# KiCad board Scopefun_v2.kicad_pcb (continued)
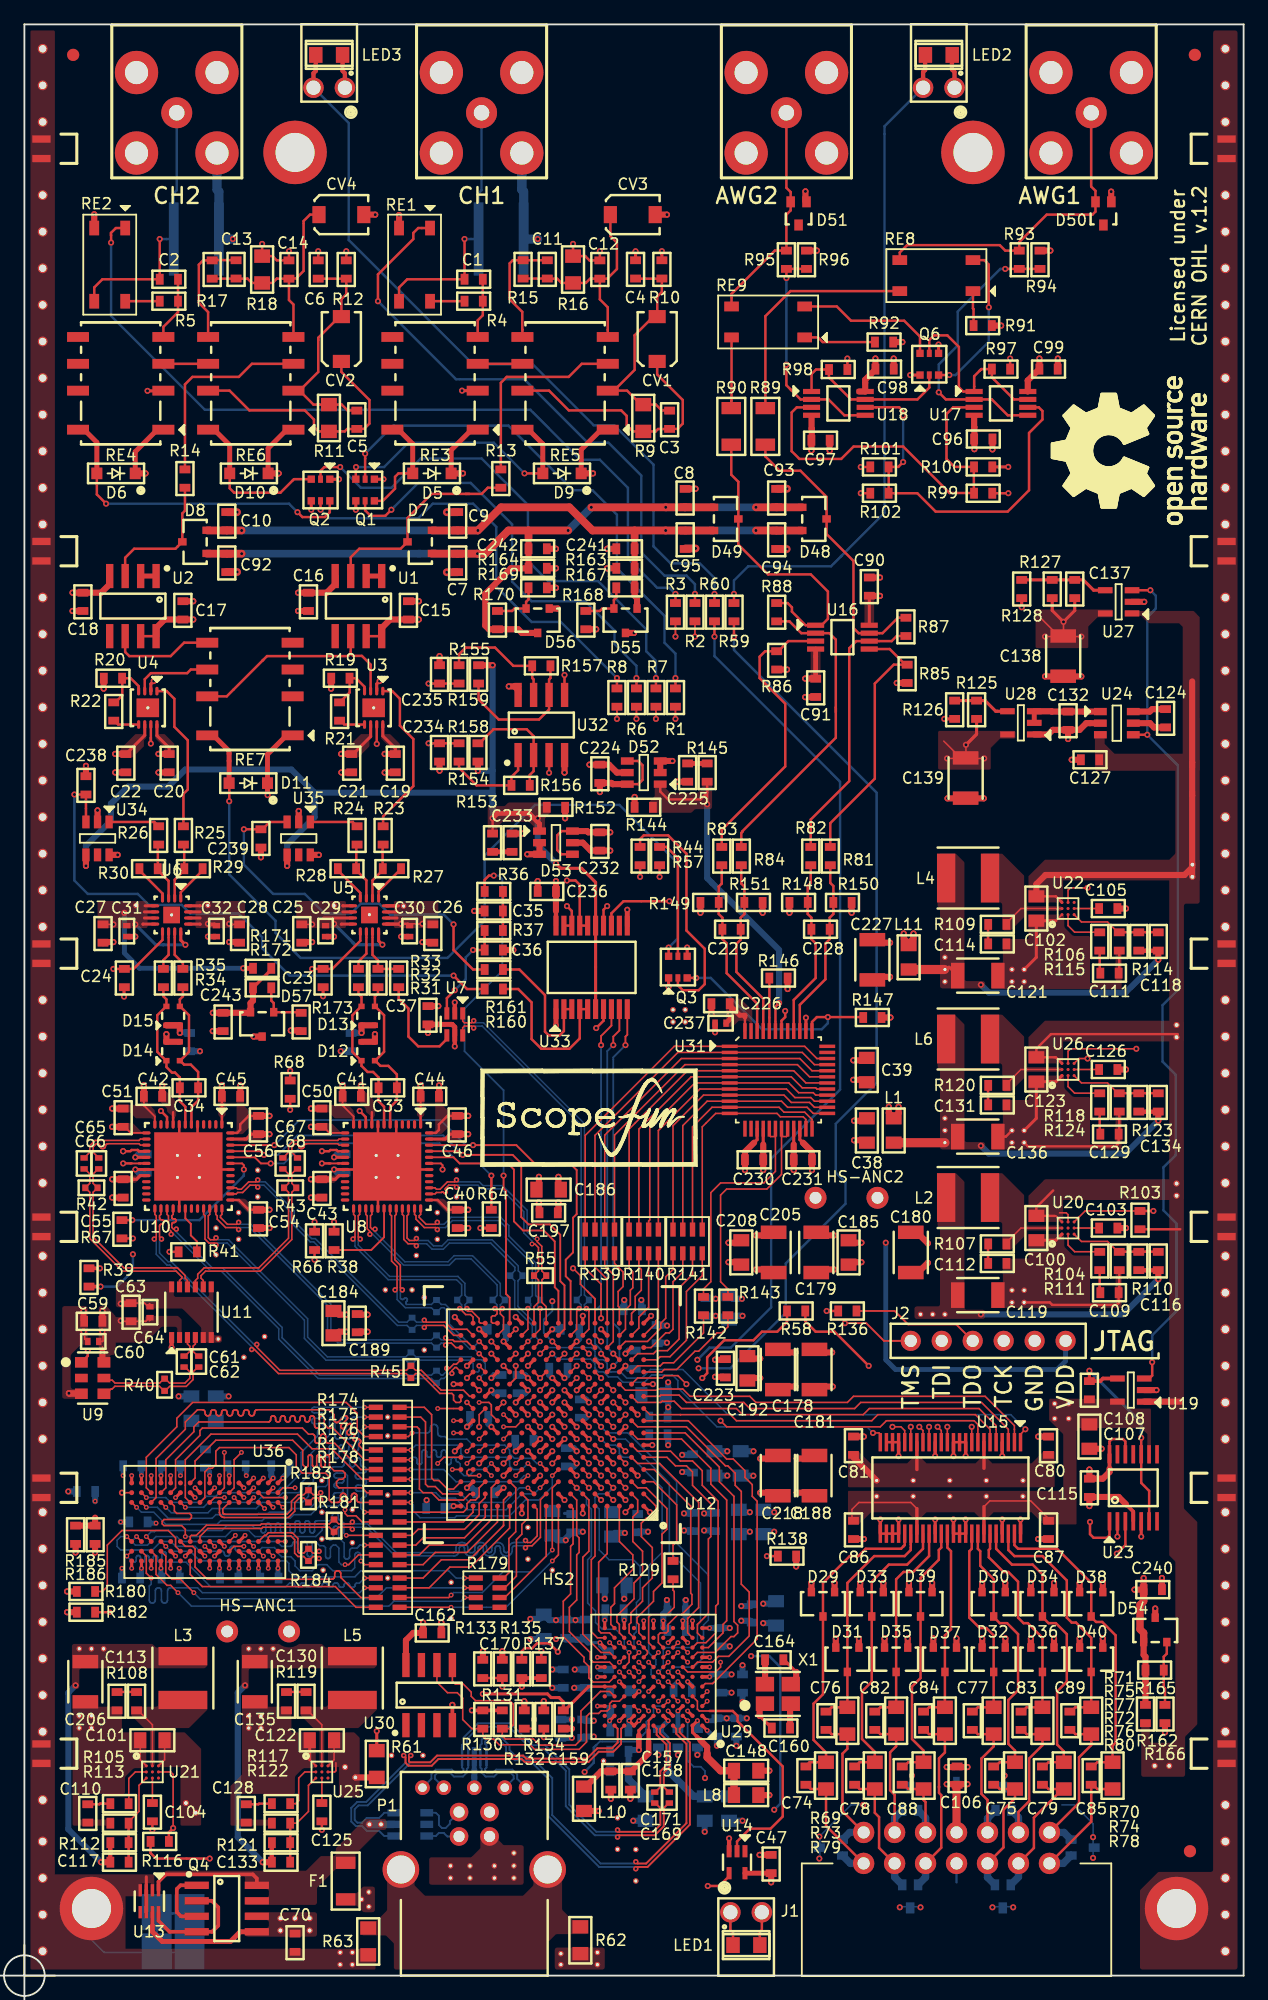
[diagram p0: board, top side]
## Routing (per net, layer and track width the routed paths; a pad name or vN(x,y) marks a point on that pad's centre or on a via; arc(x,y) is an arc through that point) (continued)
D-: length 31.3
  Top w0.155: U29.A10 48.66,20.24 48.66,19.11 48.19,18.64 46.99,18.64 46.14,17.79 41.16,17.79 40.91,18.04 33.84,18.04 33.29,17.49 31.62,17.49 31.54,17.57 31.54,17.9 v3(31.69,18.05)
  Bottom w0.155: D16.6 29.51,13.35 29.09,12.93 28.08,12.93 27.69,12.54 27.31,12.54 27.09,12.76 27.09,13.64 27.41,13.96 28.16,13.96 31.54,17.34 31.54,17.9 v3(31.69,18.05)
DAC_CLK_1: length 8.7
  Top w0.127: R142.2 55.7,52.7 53.25,50.25 52.4,50.25 52.15,50 50.3,50 U12.M2
DAC_CLK_2: length 9.4
  Top w0.127: R143.2 57.7,53.2 57.2,52.7 56.8,52.7 55.3,51.2 55,51.2 53.5,49.7 52.47,49.7 52.28,49.5 U12.M1
DAC_D0: length 11.8
  Top w0.127: U12.N1 51.9,50.5 52.15,50.75 52.95,50.75 54.3,52.1 54.3,56.1 55.6,57.4 55.6,59.22
DAC_D1: length 12.1
  Top w0.127: 54.8,59.22 54.8,57.5 53.7,56.4 53.7,52.2 52.75,51.25 51.85,51.25 51.6,51 50.3,51 U12.N2
DAC_D2: length 9.6
  Top w0.127: U12.P1 51.4,51.5 52.6,52.7 52.9,52.7 53.2,53 53.2,56.9 54,57.7 54,59.22
DAC_D3: length 10.6
  Top w0.127: U12.P3 49.3,52 51.1,52 52.2,53.1 52.2,53.5 52.6,53.9 52.6,57.3 53.2,57.9 53.2,59.22
DAC_D4: length 7.2
  Top w0.127: 52,59.22 52,53.9 51.8,53.7 51.8,53.5 U12.R1
DAC_D5: length 7.3
  Top w0.127: 51.2,59.22 51.2,54.8 50.4,54 50.4,53.1 U12.R2
DAC_D6: length 6.1
  Top w0.127: 50.4,59.22 50.4,58.1 50.6,57.9 50.6,56.2 50.1,55.7 50.1,54.6 49.8,54.3 U12.T2
DAC_D7: length 7.3
  Top w0.127: U12.R3 49.3,53 49.3,54.6 49.7,55 49.7,56.2 49.9,56.4 49.9,57.7 49.6,58 49.6,59.22
DAC_D8: length 6.2
  Top w0.127: U12.T3 48.8,54.8 48.7,54.9 48.7,56.1 49.1,56.5 49.1,57.7 48.4,58.4 48.4,59.22
DAC_D9: length 8.2
  Top w0.127: U12.P4 48.3,52 48.3,57.5 47.6,58.2 47.6,59.22
DAC_D10: length 6.1
  Top w0.127: U12.T4 47.8,57.1 46.8,58.1 46.8,59.22
DAC_D11: length 8.9
  Top w0.127: U12.P5 v1(46.3,52) ; v1(47.3,53.9) 47.3,56.7 46,58 46,59.22
  In2.Cu w0.127: v1(47.3,53.9) 46.3,52.9 v1(46.3,52)
DAC_EN: length 42.6
  Top w0.127: v1(45,58) 45.6,57.4 45.6,56.7 46.2,56.1
  Top w0.15: 46.2,56.1 46.8,55.5 U12.T5
  Top w0.2: v1(52.1,90.1) R57.2
  In2.Cu w0.15: v1(45,58) 45,58.6 46.3,59.9 48.7,59.9 52.1,63.3 v1(52.1,90.1)
DAC_SLEEP: length 19.6
  Top w0.127: U31.37 64.6,78
  Top w0.2: U31.37 64.6,78.2 65,78.6 v1(65.9,78.6) 68.77,78.6 ; Q3.3 55.1,81.81 v1(55.1,81.81)
  Bottom w0.2: v1(65.9,78.6) 65.9,78.1 65.4,77.6 60.5,77.6 56.29,81.81 v1(55.1,81.81)
DASCLK: length 30.8
  Top w0.15: U12.M4 v1(48.3,50) ; U33.10 49.45,77.15 49.3,77 v1(49.3,76.3)
  Bottom w0.15: v1(49.3,76.3) 48.3,75.3 48.3,53.5 48.8,53 48.8,50.5 v1(48.3,50)
DASDIN: length 29.6
  Top w0.15: v1(48.3,76.3) 48.3,77 48.8,77.5 U33.9 ; U12.N3 v1(48.3,51)
  Bottom w0.15: v1(48.3,51) 47.8,51.5 47.8,75.8 v1(48.3,76.3)
DASYNC: length 29.7
  Top w0.15: U12.N4 v1(47.3,51) ; v1(47.3,76.3) 47.3,77.05 48.15,77.9 U33.8
  Bottom w0.15: v1(47.3,51) 47.3,51.32 46.8,51.82 46.8,54.5 47.3,55 v1(47.3,76.3)
dataA0_N: length 17.5
  Top w0.127: U12.T15 36.8,54 36.6,54.2 36.2,54.2 v3(35.7,54.7) ; U8.25 27,62.42 27.12,62.3 27.12,60.56 v3(26.95,60.4)
  Bottom w0.127: v3(26.95,60.4) 27.12,60.24 27.12,59.79 29.84,57.07 35.44,57.07 35.87,56.64 35.87,55.79 35.5,55.43 R50.1 35.5,55.38 35.87,55.01 35.87,54.86 v3(35.7,54.7)
dataA0_P: length 17.9
  Top w0.127: U8.26 27.5,62.42 27.38,62.3 27.38,60.56 v3(27.55,60.4) ; v3(36.3,54.7) 36.3,54.55 36.38,54.47 36.71,54.47 37.3,53.88 37.3,53.6 37.4,53.5 U12.T14
  Bottom w0.127: v3(36.3,54.7) 36.13,54.86 36.13,55.01 36.5,55.38 R50.2 36.5,55.43 36.13,55.79 36.13,56.76 35.56,57.33 29.96,57.33 27.38,59.91 27.38,60.24 v3(27.55,60.4)
dataA1_N: length 19.1
  Top w0.127: U8.27 28,62.42 28.12,62.3 28.12,61.24 28.34,61.02 v3(28.34,60.79) ; U12.T13 38.4,53.5 38.3,53.6 38.3,54 38.4,54.1 38.6,54.1 38.77,54.27 38.77,54.54 v3(38.6,54.7)
  Bottom w0.127: v3(28.34,60.79) 28.57,60.79 31.09,58.27 34.86,58.27 35.36,58.77 36.64,58.77 38.77,56.64 38.77,55.77 R53.1 38.4,55.38 38.77,55.01 38.77,54.86 v3(38.6,54.7)
dataA1_P: length 19.7
  Top w0.127: U8.28 28.5,62.42 28.38,62.3 28.38,61.36 28.53,61.21 v3(28.76,61.21) ; U12.R13 39.3,53 39.3,54 39.03,54.27 39.03,54.54 v3(39.2,54.7)
  Bottom w0.127: v3(39.2,54.7) 39.03,54.86 39.03,55.01 39.4,55.38 R53.2 39.03,55.77 39.03,56.76 36.76,59.03 35.24,59.03 34.74,58.53 31.21,58.53 28.76,60.98 v3(28.76,61.21)
dataA2_N: length 21.1
  Top w0.127: U12.P11 v3(41.3,52) ; U8.33 31,62.42 31.12,62.3 31.12,60.37 31.47,60.01 31.99,60.01 v3(32.15,59.85)
  Bottom w0.127: R52.1 39.85,57.35 40.22,56.98 40.22,54.75 41.67,53.3 41.67,52.37 v3(41.3,52) ; R52.1 39.85,57.45 ; R52.1 39.85,57.43 40.24,57.81 40.24,58.08 38.25,60.07 34.86,60.07 34.36,59.57 33.44,59.57 33,60.01 32.31,60.01 v3(32.15,59.85)
dataA2_P: length 21
  Top w0.127: U12.P10 v3(42.3,52) ; U8.34 31.5,62.42 31.38,62.3 31.38,60.48 31.59,60.28 31.99,60.28 v3(32.15,60.44)
  Bottom w0.127: v3(32.15,60.44) 32.31,60.28 33.11,60.28 33.56,59.83 34.24,59.83 34.74,60.33 38.36,60.33 40.51,58.19 40.51,57.79 40.85,57.45 R52.2 40.85,57.35 40.48,56.98 40.48,54.86 41.93,53.41 41.93,52.37 v3(42.3,52)
dataA3_N: length 19.5
  Top w0.127: v3(41.3,54.7) 41.3,53 U12.R11 ; U8.35 32,62.42 32.12,62.3 32.12,62.03 32.8,61.34 33.71,61.34 v3(33.87,61.18)
  Bottom w0.127: v3(33.87,61.18) 34.03,61.34 34.53,61.34 35.11,61.92 38.94,61.92 39.47,61.39 39.47,60.54 41.67,58.34 41.67,55.77 R54.1 41.3,55.3 41.52,55.08 41.52,54.92 v3(41.3,54.7)
dataA3_P: length 19.5
  Top w0.127: v3(33.87,61.77) 33.71,61.61 32.95,61.61 32.38,62.17 32.38,62.3 32.5,62.42 U8.36 ; v3(42.3,54.7) 42.3,53 U12.R10
  Bottom w0.127: v3(42.3,54.7) 42.08,54.92 42.08,55.08 42.3,55.3 R54.2 41.93,55.77 41.93,58.46 39.73,60.66 39.73,61.51 39.06,62.18 34.99,62.18 34.42,61.61 34.03,61.61 v3(33.87,61.77)
dataA4_N: length 19.8
  Top w0.127: v3(35.44,64.65) 35.28,64.82 34.81,64.82 34.56,64.57 34.55,64.55 34.53,64.53 34.53,64.5 34.53,64.47 34.53,64.44 34.55,64.42 34.56,64.4 34.62,64.34 34.64,64.32 34.65,64.29 34.66,64.26 34.66,64.24 34.65,64.21 34.64,64.18 34.62,64.16 34.6,64.14 34.57,64.13 34.54,64.12 34.52,64.12 34.49,64.13 34.46,64.14 34.44,64.16 34.39,64.22 34.36,64.23 34.34,64.25 34.31,64.25 34.28,64.25 34.25,64.25 34.23,64.23 34.21,64.22 33.8,64.22 33.68,64.1 U8.38 ; v2(41.64,59.99) 41.87,59.99 42.17,59.69 42.17,57.79 41.8,57.43 R55.1 42.17,57.03 42.17,55.22 41.8,54.85 U12.T10
  Bottom w0.127: v3(35.44,64.65) 35.6,64.82 37.19,64.82 37.49,64.52 39.09,64.52 40.97,62.64 40.97,60.89 41.64,60.22 v2(41.64,59.99)
dataA4_P: length 19.8
  Top w0.127: U12.T9 42.8,54.85 42.43,55.22 42.43,57.03 R55.2 42.8,57.43 42.43,57.79 42.43,59.81 42.06,60.18 v2(42.06,60.41) ; v3(35.44,65.25) 35.28,65.08 34.69,65.08 34.09,64.48 33.8,64.48 33.68,64.6 U8.39
  Bottom w0.127: v3(35.44,65.25) 35.6,65.08 37.31,65.08 37.61,64.78 39.21,64.78 41.23,62.76 41.23,61.01 41.83,60.41 v2(42.06,60.41)
dataB0_N: length 35.1
  Top w0.127: U10.25 10.7,62.42 10.82,62.3 10.82,60.56 v3(10.65,60.4) ; v3(18.64,51.34) 18.87,51.34 20.84,49.37 31.32,49.37 31.69,49 R45.1 31.73,49 32.09,49.37 32.44,49.37 34.07,47.74 35.06,47.74 35.2,47.6 35.2,47.2 35.4,47 35.7,47 35.8,47.1 U12.K16
  Bottom w0.127: v3(18.64,51.34) 18.64,51.57 11.94,58.27 11.69,58.27 10.82,59.14 10.82,60.24 v3(10.65,60.4)
dataB0_P: length 35.2
  Top w0.127: v3(11.25,60.4) 11.08,60.56 11.08,61.45 11.09,61.48 11.1,61.52 11.12,61.56 11.15,61.58 11.18,61.6 11.22,61.62 11.3,61.63 11.34,61.64 11.37,61.66 11.4,61.69 11.42,61.72 11.43,61.76 11.43,61.8 11.43,61.8 11.43,61.84 11.42,61.88 11.4,61.91 11.37,61.94 11.34,61.96 11.3,61.97 11.22,61.98 11.18,61.99 11.15,62.01 11.12,62.04 11.1,62.07 11.09,62.11 11.08,62.15 11.08,62.3 11.2,62.42 U10.26 ; v3(19.06,51.76) 19.06,51.53 20.96,49.63 31.33,49.63 R45.2 31.73,50 32.09,49.63 32.56,49.63 34.18,48.01 36.01,48.01 36.52,47.5 U12.K15
  Bottom w0.127: v3(19.06,51.76) 18.83,51.76 12.06,58.53 11.81,58.53 11.08,59.26 11.08,60.24 v3(11.25,60.4)
dataB1_N: length 32.4
  Top w0.127: U10.27 11.7,62.42 11.82,62.3 11.82,61.24 12.04,61.02 v3(12.04,60.79) ; v3(35.06,49.38) 35.06,49.61 35.32,49.87 35.43,49.87 U12.M16
  Bottom w0.127: v3(12.04,60.79) 12.27,60.79 15.29,57.77 16.14,57.77 20.87,53.04 20.87,52.19 24.09,48.97 33.38,48.97 33.75,48.6 R47.2 33.83,48.6 34.19,48.97 34.42,48.97 34.83,49.38 v3(35.06,49.38)
dataB1_P: length 32.4
  Top w0.127: U12.N16 35.43,50.13 35.2,50.13 34.87,49.8 v3(34.64,49.8) ; v3(12.46,61.21) 12.23,61.21 12.08,61.36 12.08,61.6 12.09,61.64 12.1,61.67 12.12,61.7 12.14,61.72 12.17,61.74 12.2,61.75 12.23,61.75 12.28,61.75 12.32,61.76 12.35,61.77 12.38,61.79 12.4,61.81 12.42,61.84 12.43,61.87 12.43,61.9 12.43,61.94 12.42,61.97 12.4,62 12.38,62.02 12.35,62.04 12.32,62.05 12.28,62.05 12.23,62.05 12.2,62.06 12.17,62.07 12.14,62.09 12.12,62.11 12.1,62.14 12.09,62.17 12.08,62.2 12.08,62.3 12.2,62.42 U10.28
  Bottom w0.127: v3(12.46,61.21) 12.46,60.98 15.41,58.03 16.26,58.03 21.13,53.16 21.13,52.31 24.21,49.23 33.38,49.23 33.75,49.6 R47.1 33.83,49.6 34.19,49.23 34.3,49.23 34.64,49.57 v3(34.64,49.8)
dataB2_N: length 32.4
  Top w0.127: U10.33 14.7,62.42 14.82,62.3 14.82,60.39 15.14,60.07 15.56,60.07 v3(15.72,59.91) ; U12.M14 v3(37.3,50)
  Bottom w0.127: v3(37.3,50) 37.3,49.6 37.2,49.5 36.9,49.5 36.8,49.6 36.8,50.2 36.53,50.47 32.12,50.47 31.75,50.1 R46.1 31.65,50.1 31.28,50.47 24.74,50.47 22.97,52.24 22.97,53.74 16.64,60.07 15.88,60.07 v3(15.72,59.91)
dataB2_P: length 32.9
  Top w0.127: U10.34 15.2,62.42 15.08,62.3 15.08,60.51 15.25,60.34 15.56,60.34 v3(15.72,60.5) ; U12.L14 v3(37.3,49)
  Bottom w0.127: v3(15.72,60.5) 15.88,60.34 16.75,60.34 23.23,53.86 23.23,52.36 24.86,50.73 31.28,50.73 31.65,51.1 R46.2 31.75,51.1 32.12,50.73 36.65,50.73 36.88,50.5 37.5,50.5 37.8,50.2 37.8,49.5 v3(37.3,49)
dataB3_N: length 27.1
  Top w0.127: U10.35 15.7,62.42 15.82,62.3 15.82,62.03 16.5,61.34 17.41,61.34 v3(17.57,61.18) ; v3(34.55,51.7) 34.71,51.87 35.02,51.87 35.39,51.5 U12.P16
  Bottom w0.127: v3(34.55,51.7) 34.39,51.87 34.19,51.87 33.83,51.5 R48.1 33.75,51.5 33.38,51.87 25.74,51.87 24.87,52.74 24.87,54.94 18.47,61.34 17.73,61.34 v3(17.57,61.18)
dataB3_P: length 27.8
  Top w0.127: v3(17.57,61.77) 17.41,61.61 16.65,61.61 16.08,62.17 16.08,62.3 16.2,62.42 U10.36 ; v3(34.55,52.3) 34.71,52.13 35.13,52.13 35.27,52 36.3,52 U12.P15
  Bottom w0.127: v3(34.55,52.3) 34.39,52.13 34.19,52.13 33.83,52.5 R48.2 33.75,52.5 33.38,52.13 25.86,52.13 25.13,52.86 25.13,55.06 18.58,61.61 17.73,61.61 v3(17.57,61.77)
dataB4_N: length 25.6
  Top w0.127: U10.38 17.38,64.1 17.5,64.22 17.91,64.22 18.51,64.82 18.98,64.82 v3(19.14,64.65) ; 35.6,52.5 U12.R16 35.21,52.5 34.39,53.32 32.96,53.32 v3(32.8,53.15)
  Bottom w0.127: v3(19.14,64.65) 19.3,64.82 19.64,64.82 21.87,62.59 21.87,61.74 23.44,60.17 23.74,60.17 30.59,53.32 31.38,53.32 31.75,52.95 R49.1 32.17,53.32 32.64,53.32 v3(32.8,53.15)
dataB4_P: length 26.5
  Top w0.127: U10.39 17.38,64.6 17.5,64.48 17.79,64.48 18.39,65.08 18.98,65.08 v3(19.14,65.25) ; v3(32.8,53.75) 32.96,53.58 34.51,53.58 35.09,53 36.3,53 U12.R15
  Bottom w0.127: v3(19.14,65.25) 19.3,65.08 19.76,65.08 22.13,62.71 22.13,61.86 23.56,60.43 23.85,60.43 30.7,53.58 31.38,53.58 31.75,53.95 R49.2 32.17,53.58 32.64,53.58 v3(32.8,53.75)
dataD[0]: length 35.7
  Top w0.127: 81.2,43.74 U15.2 81.2,44.8 81.2,44.8 81.2,45.1 78.8,47.5 68,47.5 67.5,47 60,47 59.5,47.5 54.6,47.5 54,48.1 52,48.1 51.9,48 49.3,48 U12.L3
dataD[1]: length 32.6
  Top w0.127: U12.K1 52.1,47.5 52.2,47.6 53.7,47.6 54.3,47 59,47 59.5,46.5 68.1,46.5 68.6,47 78.5,47 80.7,44.8 U15.3 80.7,43.74
dataD[2]: length 32.8
  Top w0.127: U15.5 79.7,44.8 79.7,44.8 79.7,45.1 78.3,46.5 69.3,46.5 68.8,46 58.9,46 58.4,46.5 53.9,46.5 53.3,47.1 52.3,47.1 52.2,47 50.3,47 U12.K2
dataD[3]: length 30.6
  Top w0.127: 53.8,46 53.82,45.97 ; 53.8,46 51.3,46 U12.J1 ; 53.8,46 57.9,46 58.4,45.5 69.5,45.5 70,46 78,46 79.2,44.8 U15.6
dataD[4]: length 32.3
  Top w0.127: v1(57.1,45.5) 57.6,45 70.2,45 70.7,45.5 77.9,45.5 78.2,45.2 78.2,44.8 78.2,44.8 U15.8 ; U12.K3 v1(49.3,47)
  In2.Cu w0.127: v1(57.1,45.5) 56.1,46.5 53.9,46.5 53.3,47.1 52.3,47.1 52.2,47 v1(49.3,47)
dataD[5]: length 35.8
  Top w0.127: U15.9 77.7,43.74 v1(77.7,45) ; U12.R5 v1(47.3,52)
  In2.Cu w0.127: v1(47.3,52) 48.2,52 48.8,52.6 59.2,52.6 62.8,49 66.6,49 67.6,48 74.7,48 v1(77.7,45)
dataD[6]: length 35.2
  Top w0.127: U15.13 75.7,43.74 v1(75.7,45) ; U12.P6 v1(46.3,51)
  In2.Cu w0.127: v1(46.3,51) 46.6,51 47.1,51.5 52.1,51.5 52.2,51.4 52.9,51.4 53.6,52.1 57.4,52.1 59.6,49.9 60.2,49.9 62.6,47.5 73.8,47.5 75.7,45.6 v1(75.7,45)
dataD[7]: length 34.4
  Top w0.127: v1(74.9,45) 75.2,44.7 U15.14 ; U12.N6 v1(46.3,50)
  In2.Cu w0.127: v1(46.3,50) 46.8,50.5 49.65,50.5 50.15,51 53.3,51 53.9,51.6 56.7,51.6 61.3,47 73.4,47 74.9,45.5 v1(74.9,45)
dataD[8]: length 27.2
  Top w0.127: U15.17 73.7,44.7 v1(73.4,45) ; v1(54.3,48.5) 53.6,49.2 52.5,49.2 52.3,49 50.3,49 U12.L2
  In2.Cu w0.127: v1(54.3,48.5) 57.5,48.5 60,46 72.8,46 73.4,45.4 v1(73.4,45)
dataD[9]: length 33.7
  Top w0.127: U15.16 74.2,43.74 v1(74.2,45) ; U12.M6 v1(46.3,49)
  In2.Cu w0.127: v1(46.3,49) 46.8,49.5 49.6,49.5 50.6,50.5 53.8,50.5 54.4,51.1 55.6,51.1 55.95,50.75 55.95,50.4 56.55,49.8 57.2,49.8 60.5,46.5 73.1,46.5 74.2,45.4 v1(74.2,45)
dataD[10]: length 26.9
  Top w0.127: U15.20 72.2,44.7 71.9,45 v1(71.2,45) ; U12.J3 v1(48.3,47)
  In2.Cu w0.127: v1(71.2,45) 58.9,45 56.4,47.5 49.1,47.5 48.6,47 v1(48.3,47)
dataD[11]: length 29
  Top w0.127: U12.K5 v1(47.3,48) ; v1(72.7,45) 72.7,43.74 U15.19
  In2.Cu w0.127: v1(47.3,48) 47.8,47.5 48.5,47.5 49,48 56.9,48 59.4,45.5 72.2,45.5 v1(72.7,45)
DDR3_A0: length 11.6
  Top w0.127: U12.B15 36.52,39.5 36.02,39 34,39 33.4,39.6 32.7,39.6 32.4,39.9 32.4,44.8 32.2,45 R174.6
DDR3_A1: length 9.1
  Top w0.127: U12.B14 37.8,39.2 37.3,38.7 37.3,37.8 36.1,36.6 32.3,36.6 31.8,36.1 30.8,36.1
DDR3_A2: length 13
  Top w0.127: U12.D10 v2(41.3,42) ; 30.8,43.2 30.77,43.2 ; R175.8 v2(31.7,43.1) 31.6,43.1
  Bottom w0.127: v2(31.7,43.1) 32.1,43.5 35.5,43.5 35.8,43.2 35.8,42.8 36.1,42.5 39.5,42.5 39.8,42.2 39.8,41.8 40.1,41.5 40.8,41.5 v2(41.3,42)
DDR3_A3: length 14.5
  Top w0.127: R175.7 v2(31.7,42.3) 31.6,42.3 ; U12.D13 v2(38.3,42)
  Bottom w0.127: v2(38.3,42) 37.8,41.5 37,41.5 36.5,41 36.05,41 35.75,41.3 35.75,41.95 35.6,42.1 35.56,42.11 35.51,42.12 35.48,42.14 35.44,42.18 35.42,42.21 35.41,42.26 35.39,42.34 35.38,42.39 35.36,42.42 35.32,42.46 35.29,42.48 35.24,42.49 35.2,42.5 35.16,42.49 35.11,42.48 35.08,42.46 35.04,42.42 35.02,42.39 35.01,42.34 35,42.3 35,42.1 34.99,42.06 34.98,42.01 34.96,41.98 34.92,41.94 34.89,41.92 34.84,41.91 34.8,41.9 34.76,41.91 34.71,41.92 34.68,41.94 34.64,41.98 34.62,42.01 34.61,42.06 34.6,42.1 34.6,42.9 34.59,42.94 34.58,42.99 34.56,43.02 34.52,43.06 34.49,43.08 34.44,43.09 34.4,43.1 34.36,43.09 34.31,43.08 34.28,43.06 34.24,43.02 34.22,42.99 34.21,42.94 34.2,42.9 34.2,42.7 34.19,42.66 34.18,42.61 34.16,42.58 34.12,42.54 34.09,42.52 34.04,42.51 34,42.5 33.96,42.51 33.91,42.52 33.88,42.54 33.84,42.58 33.82,42.61 33.81,42.66 33.8,42.7 33.8,42.9 33.79,42.94 33.78,42.99 33.76,43.02 33.72,43.06 33.69,43.08 33.64,43.09 33.6,43.1 33.56,43.09 33.51,43.08 33.48,43.06 33.44,43.02 33.42,42.99 33.41,42.94 33.4,42.9 33.4,42.7 33.39,42.66 33.38,42.61 33.36,42.58 33.32,42.54 33.29,42.52 33.24,42.51 33.2,42.5 33.16,42.51 33.11,42.52 33.08,42.54 33.04,42.58 33.02,42.61 33.01,42.66 33,42.7 33,42.9 32.99,42.94 32.98,42.99 32.96,43.02 32.92,43.06 32.89,43.08 32.84,43.09 32.8,43.1 32.76,43.09 32.71,43.08 32.68,43.06 32.64,43.02 32.62,42.99 32.61,42.94 32.6,42.9 32.6,42.1 32.59,42.06 32.58,42.01 32.56,41.98 32.52,41.94 32.49,41.92 32.44,41.91 32.4,41.9 32.36,41.91 32.31,41.92 32.28,41.94 32.24,41.98 32.22,42.01 32.21,42.06 32.2,42.1 32.2,42.3 32.19,42.34 32.18,42.39 32.16,42.42 32.12,42.46 32.09,42.48 32.04,42.49 31.89,42.49 v2(31.7,42.3)
DDR3_A4: length 9.4
  Top w0.127: U12.A9 42.8,34.4 39.4,31 39,31 39.05,31
DDR3_A5: length 14.6
  Top w0.127: 30.78,44.19 R174.5 31.5,44.2 v2(31.8,44.5) ; U12.D9 v2(42.3,42)
  Bottom w0.127: v2(42.3,42) 42.02,42 41.6,42.42 40.18,42.42 39.8,42.8 39.8,43.1 39.4,43.5 36.79,43.5 36.29,43.99 34.7,43.99 34.49,44.2 34.2,44.2 34.13,44.21 34.07,44.23 34.01,44.27 33.97,44.31 33.93,44.37 33.91,44.43 33.9,44.5 33.9,44.9 33.89,44.97 33.87,45.03 33.83,45.09 33.79,45.13 33.73,45.17 33.67,45.19 33.6,45.2 33.53,45.19 33.47,45.17 33.41,45.13 33.37,45.09 33.33,45.03 33.31,44.97 33.3,44.9 33.3,44.8 33.29,44.73 33.27,44.67 33.23,44.61 33.19,44.57 33.13,44.53 33.07,44.51 33,44.5 v2(31.8,44.5)
DDR3_A6: length 13
  Top w0.127: 39.8,37.6 39.8,37.5 ; 39.8,37.6 39.8,36.7 36.6,33.5 34.9,33.5 33.2,31.8 R178.7 ; 39.8,37.6 U12.A12
DDR3_A7: length 11.1
  Top w0.127: R174.8 32.8,46.6 33.4,46 33.4,40.8 33.6,40.6 34,40.6 34.7,39.9 35.2,39.9 U12.C16
DDR3_A8: length 13.3
  Top w0.127: 39.3,36.9 39.2,36.8 ; 39.3,36.9 36.5,34.1 34.2,34.1 32.7,32.6 R178.8 ; 39.3,36.9 39.3,39 U12.B12
DDR3_A9: length 8.7
  Top w0.127: 30.8,38 36,38 36.3,38.3 36.3,38.7 36.6,39 37,39 37.3,39.3 37.3,40 U12.C14
DDR3_A10: length 19.9
  Top w0.127: v2(35,31.2) 34.8,31 R178.6 ; U12.C8 43.3,40 v2(43.3,34.9)
  Bottom w0.127: v2(43.3,34.9) 41.5,33.1 39.25,33.1 37.56,31.41 35.21,31.41 v2(35,31.2)
DDR3_A11: length 12
  Top w0.127: U12.C13 38.3,40 38.3,37.4 36.2,35.3 33.2,35.3 32.4,34.5 R177.6
DDR3_A12: length 8.8
  Top w0.127: U12.C12 40.3,40 40.3,36.4 39.74,35.84 39.74,33.04 39.3,32.6 39,32.6
DDR3_A13: length 6.8
  Top w0.127: 30.8,37.2 36,37.2 36.8,38 U12.A15
DDR3_A14: length 10.7
  Top w0.127: U12.A13 38.8,37.2 36.3,34.7 33.7,34.7 32.7,33.7 30.8,33.7
DDR3_BA0: length 12
  Top w0.127: U12.C11 v2(41.3,41) ; R175.6 v2(31.7,41.5) 31.6,41.5
  Bottom w0.127: v2(31.7,41.5) 34.4,41.5 35.4,40.5 40.5,40.5 41,41 v2(41.3,41)
DDR3_BA1: length 9.1
  Top w0.127: U12.B11 41.3,39 41.3,37.5 40.8,37 40.8,36.2 40.35,35.75 40.35,32.75 39.4,31.8 39,31.8
DDR3_BA2: length 8.9
  Top w0.127: 30.8,35.3 32.1,35.3 32.7,35.9 36.1,35.9 37.8,37.6 U12.A14
DDR3_CAS#: length 12.6
  Top w0.127: R175.5 v2(31.7,40.7) 31.6,40.7 ; U12.B10 v2(41.3,40)
  Bottom w0.127: v2(41.3,40) 40.6,40 39.4,38.8 36.5,38.8 35.6,39.7 34.9,39.7 33.9,40.7 v2(31.7,40.7)
DDR3_CK_N: length 37.4
  Top w0.127: 25.41,37.4 25.78,37.03 26.74,37.03 v3(26.9,37.2) ; U12.A10 42.06,38.24 42.06,36.05 41.53,35.52 41.26,35.52 v3(41.1,35.68) ; U36.K7 13.6,36 13.7,36.1 14.1,36.1 14.93,36.93 19.34,36.93 19.44,37.03 25.01,37.03 25.38,37.4 R181.2
  Bottom w0.127: v3(41.1,35.68) 40.94,35.52 40.26,35.52 40.2,35.52 40.1,35.51 40,35.47 39.92,35.42 39.84,35.34 39.79,35.26 39.75,35.16 39.74,35.06 39.74,34.9 39.74,34.85 39.72,34.8 39.7,34.76 39.66,34.73 39.62,34.7 39.58,34.69 39.53,34.68 39.48,34.69 39.43,34.7 39.39,34.73 39.36,34.76 39.33,34.8 39.32,34.85 39.31,34.9 39.31,35.06 39.3,35.16 39.27,35.26 39.21,35.34 39.14,35.42 39.05,35.47 38.96,35.51 38.86,35.52 38.8,35.52 38.7,35.51 38.6,35.47 38.52,35.42 38.44,35.34 38.39,35.26 38.35,35.16 38.34,35.06 38.34,34.9 38.34,34.85 38.32,34.8 38.3,34.76 38.26,34.73 38.22,34.7 38.18,34.69 38.13,34.68 38.08,34.69 38.03,34.7 37.99,34.73 37.96,34.76 37.93,34.8 37.92,34.85 37.91,34.9 37.91,35.06 37.9,35.16 37.87,35.26 37.81,35.34 37.74,35.42 37.65,35.47 37.56,35.51 37.46,35.52 37.4,35.52 37.3,35.51 37.2,35.47 37.12,35.42 37.04,35.34 36.99,35.26 36.95,35.16 36.94,35.06 36.94,34.9 36.94,34.85 36.92,34.8 36.9,34.76 36.86,34.73 36.82,34.7 36.78,34.69 36.73,34.68 36.58,34.68 36.54,34.69 36.49,34.7 36.45,34.73 36.41,34.76 36.39,34.8 36.37,34.85 36.37,34.9 36.37,35.06 36.36,35.16 36.32,35.26 36.27,35.34 36.2,35.42 36.11,35.47 36.01,35.51 35.91,35.52 35.86,35.52 35.75,35.51 35.66,35.47 35.57,35.42 35.5,35.34 35.44,35.26 35.41,35.16 35.4,35.06 35.4,34.9 35.39,34.85 35.38,34.8 35.35,34.76 35.32,34.73 35.28,34.7 35.23,34.69 35.18,34.68 30.51,34.68 28.16,37.03 27.06,37.03 v3(26.9,37.2)
DDR3_CK_P: length 38.2
  Top w0.127: v3(41.1,35.09) 41.26,35.25 41.64,35.25 42.33,35.94 42.33,39.03 U12.B9 ; R181.1 25.38,36.4 25.01,36.77 19.56,36.77 19.46,36.67 15.05,36.67 14.4,36.02 U36.J7 ; 25.41,36.4 25.78,36.77 26.74,36.77 v3(26.9,36.6) ; 25.4,36.15 25.27,36.15
  Bottom w0.127: v3(26.9,36.6) 27.06,36.77 28.04,36.77 30.4,34.41 35.21,34.41 35.31,34.42 35.41,34.46 35.5,34.51 35.57,34.59 35.62,34.67 35.66,34.77 35.67,34.87 35.67,35.03 35.67,35.08 35.69,35.13 35.71,35.17 35.75,35.2 35.79,35.23 35.84,35.24 35.88,35.25 35.93,35.24 35.98,35.23 36.02,35.2 36.05,35.17 36.08,35.13 36.09,35.08 36.1,35.03 36.1,34.87 36.11,34.77 36.14,34.67 36.2,34.59 36.27,34.51 36.36,34.46 36.45,34.42 36.56,34.41 36.76,34.41 36.86,34.42 36.95,34.46 37.04,34.51 37.11,34.59 37.17,34.67 37.2,34.77 37.21,34.87 37.21,35.03 37.22,35.08 37.23,35.13 37.26,35.17 37.29,35.2 37.33,35.23 37.38,35.24 37.43,35.25 37.48,35.24 37.52,35.23 37.56,35.2 37.6,35.17 37.62,35.13 37.64,35.08 37.64,35.03 37.64,34.87 37.65,34.77 37.69,34.67 37.74,34.59 37.82,34.51 37.9,34.46 38,34.42 38.1,34.41 38.16,34.41 38.26,34.42 38.35,34.46 38.44,34.51 38.51,34.59 38.57,34.67 38.6,34.77 38.61,34.87 38.61,35.03 38.62,35.08 38.63,35.13 38.66,35.17 38.69,35.2 38.73,35.23 38.78,35.24 38.83,35.25 38.88,35.24 38.92,35.23 38.96,35.2 39,35.17 39.02,35.13 39.04,35.08 39.04,35.03 39.04,34.87 39.05,34.77 39.09,34.67 39.14,34.59 39.22,34.51 39.3,34.46 39.4,34.42 39.5,34.41 39.56,34.41 39.66,34.42 39.75,34.46 39.84,34.51 39.91,34.59 39.97,34.67 40,34.77 40.01,34.87 40.01,35.03 40.02,35.08 40.03,35.13 40.06,35.17 40.09,35.2 40.13,35.23 40.18,35.24 40.23,35.25 40.94,35.25 v3(41.1,35.09)
DDR3_CKE: length 18.8
  Top w0.127: R178.5 v2(35,30.2) ; U12.A8 43.8,34.5 v2(43.3,34)
  Bottom w0.127: v2(35,30.2) 39.5,30.2 v2(43.3,34)
DDR3_DQ0: length 30.5
  Top w0.127: U12.H11 40.3,45 v2(39.3,45) ; U36.E3 v2(17.2,39.2)
  In2.Cu w0.127: v2(39.3,45) 38.3,46 35.2,46 33.4,47.8 23.4,47.8 17.2,41.6 v2(17.2,39.2)
DDR3_DQ1: length 30.9
  Top w0.127: U12.G12 v2(39.3,44) ; U36.F7 v2(17.3,36.1)
  In2.Cu w0.127: v2(17.3,36.1) 17.3,37.2 17.6,37.5 18.1,37.5 18.5,37.9 18.5,38.3 19.3,39.1 19.3,39.7 20,40.4 20,41.1 24.6,45.7 27.3,45.7 27.6,45.4 28.4,45.4 28.6,45.6 29.2,45.6 29.5,45.3 30.3,45.3 30.5,45.5 32.1,45.5 32.3,45.7 33,45.7 33.7,45 35.6,45 36.1,45.5 37.5,45.5 37.8,45.2 37.8,44.8 38.1,44.5 38.8,44.5 v2(39.3,44)
DDR3_DQ2: length 32.2
  Top w0.127: v2(17.8,42.9) 17.2,42.3 17.2,40 U36.F2 ; v2(39.3,46) U12.H12 ; U36.F2 16.8,39.61 ; U36.F2 16.8,39.66
  In2.Cu w0.127: v2(39.3,46) 38.8,46.5 36.1,46.5 35.3,47.3 34.7,47.3 33.6,48.4 28.5,48.4 28.43,48.41 28.37,48.43 28.31,48.47 28.27,48.51 28.23,48.57 28.21,48.63 28.19,48.77 28.17,48.83 28.13,48.89 28.09,48.93 28.03,48.97 27.97,48.99 27.9,49 27.83,48.99 27.77,48.97 27.71,48.93 27.67,48.89 27.63,48.83 27.61,48.77 27.59,48.63 27.57,48.57 27.53,48.51 27.49,48.47 27.43,48.43 27.37,48.41 27.3,48.4 27.23,48.41 27.17,48.43 27.11,48.47 27.07,48.51 27.03,48.57 27.01,48.63 26.99,48.77 26.97,48.83 26.93,48.89 26.89,48.93 26.83,48.97 26.77,48.99 26.7,49 26.63,48.99 26.57,48.97 26.51,48.93 26.47,48.89 26.43,48.83 26.41,48.77 26.39,48.63 26.37,48.57 26.33,48.51 26.29,48.47 26.23,48.43 26.17,48.41 26.1,48.4 26.03,48.41 25.97,48.43 25.91,48.47 25.87,48.51 25.83,48.57 25.81,48.63 25.79,48.77 25.77,48.83 25.73,48.89 25.69,48.93 25.63,48.97 25.57,48.99 25.5,49 25.43,48.99 25.37,48.97 25.31,48.93 25.27,48.89 25.23,48.83 25.21,48.77 25.19,48.63 25.17,48.57 25.13,48.51 25.09,48.47 25.03,48.43 24.97,48.41 24.9,48.4 24.83,48.41 24.77,48.43 24.71,48.47 24.67,48.51 24.63,48.57 24.61,48.63 24.59,48.77 24.57,48.83 24.53,48.89 24.49,48.93 24.43,48.97 24.37,48.99 24.3,49 24.23,48.99 24.17,48.97 24.11,48.93 24.07,48.89 24.03,48.83 24.01,48.77 23.99,48.63 23.97,48.57 23.93,48.51 23.89,48.47 23.83,48.43 23.77,48.41 23.7,48.4 22.9,48.4 17.8,43.3 v2(17.8,42.9)
DDR3_DQ3: length 31.2
  Top w0.127: v2(18,35.2) 17.2,35.2 U36.F8 ; v2(35.2,44.5) U12.G16
  In2.Cu w0.127: v2(35.2,44.5) 33.3,44.5 32.9,44.9 32.2,44.9 32.1,45 31.5,45 31.2,44.7 29.4,44.7 29.2,44.9 28.6,44.9 28.3,44.6 27.6,44.6 27.1,45.1 24.9,45.1 23.29,43.49 23.26,43.45 23.23,43.4 23.22,43.34 23.22,43.29 23.23,43.23 23.26,43.18 23.29,43.14 23.48,42.96 23.51,42.91 23.53,42.86 23.55,42.81 23.55,42.75 23.53,42.7 23.51,42.65 23.48,42.6 23.43,42.57 23.38,42.54 23.33,42.53 23.27,42.53 23.22,42.54 23.17,42.57 23.12,42.6 22.94,42.79 22.9,42.82 22.85,42.84 22.79,42.86 22.73,42.86 22.68,42.84 22.63,42.82 22.59,42.79 22.55,42.74 22.53,42.69 22.51,42.64 22.51,42.58 22.53,42.53 22.55,42.48 22.59,42.43 22.87,42.15 22.9,42.11 22.93,42.06 22.94,42 22.94,41.94 22.93,41.89 22.9,41.84 22.87,41.8 22.82,41.76 22.77,41.74 22.72,41.72 22.66,41.72 22.61,41.74 22.56,41.76 22.52,41.8 22.23,42.08 22.19,42.11 22.14,42.14 22.08,42.15 22.03,42.15 21.97,42.14 21.92,42.11 21.88,42.08 21.84,42.03 21.82,41.98 21.8,41.93 21.8,41.87 21.82,41.82 21.84,41.76 21.87,41.72 22.16,41.44 22.19,41.39 22.22,41.34 22.23,41.29 22.23,41.23 22.22,41.18 22.19,41.13 22.16,41.08 22.02,40.95 21.75,40.95 21.4,41.3 21,41.3 20.8,41.1 20.8,40.5 21.15,40.15 21.15,39.65 20.9,39.4 20.6,39.4 20.5,39.5 20.2,39.5 20.1,39.4 20.1,39.2 20,39.1 19.8,39.1 19.2,38.5 19.2,38.1 19.3,38 19.3,37.7 18.7,37.1 18.4,37.1 18.2,36.9 18.2,36.7 18.6,36.3 18.6,35.8 v2(18,35.2)
DDR3_DQ4: length 32.5
  Top w0.127: U36.H3 15.6,39.2 v2(16.4,39.2) ; U12.J15 v3(36.3,47)
  In2.Cu w0.127: v3(36.3,47) 35.4,47.9 35,47.9 34.6,48.3 34.6,48.5 34.1,49 33.9,49 33.83,49.01 33.77,49.03 33.71,49.07 33.67,49.11 33.63,49.17 33.61,49.23 33.59,49.37 33.57,49.43 33.53,49.49 33.49,49.53 33.43,49.57 33.37,49.59 33.3,49.6 33.23,49.59 33.17,49.57 33.11,49.53 33.07,49.49 33.03,49.43 33.01,49.37 32.99,49.23 32.97,49.17 32.93,49.11 32.89,49.07 32.83,49.03 32.77,49.01 32.7,49 32.63,49.01 32.57,49.03 32.51,49.07 32.47,49.11 32.43,49.17 32.41,49.23 32.39,49.37 32.37,49.43 32.33,49.49 32.29,49.53 32.23,49.57 32.17,49.59 32.1,49.6 32.03,49.59 31.97,49.57 31.91,49.53 31.87,49.49 31.83,49.43 31.81,49.37 31.79,49.23 31.77,49.17 31.73,49.11 31.69,49.07 31.63,49.03 31.57,49.01 31.5,49 31.43,49.01 31.37,49.03 31.31,49.07 31.27,49.11 31.23,49.17 31.21,49.23 31.19,49.37 31.17,49.43 31.13,49.49 31.09,49.53 31.03,49.57 30.97,49.59 30.9,49.6 30.83,49.59 30.77,49.57 30.71,49.53 30.67,49.49 30.63,49.43 30.61,49.37 30.59,49.23 30.57,49.17 30.53,49.11 30.49,49.07 30.43,49.03 30.37,49.01 30.3,49 30.23,49.01 30.17,49.03 30.11,49.07 30.07,49.11 30.03,49.17 30.01,49.23 29.99,49.37 29.97,49.43 29.93,49.49 29.89,49.53 29.83,49.57 29.77,49.59 29.7,49.6 29.63,49.59 29.57,49.57 29.51,49.53 29.47,49.49 29.43,49.43 29.41,49.37 29.39,49.23 29.37,49.17 29.33,49.11 29.29,49.07 29.23,49.03 29.17,49.01 29.1,49 29.03,49.01 28.97,49.03 28.91,49.07 28.87,49.11 28.83,49.17 28.81,49.23 28.79,49.37 28.77,49.43 28.73,49.49 28.69,49.53 28.63,49.57 28.57,49.59 28.5,49.6 23.1,49.6 17,43.5 17,42.3 16.4,41.7 v2(16.4,39.2)